# Altium PCB MASOUD.PcbDoc (part 5 of 5)
Units mm, origin at the board's own origin, x right, y up, seen from the top; angles counter-clockwise.
Board outline 244.28 x 142.63 mm, 2 copper layers (Top Layer, Bottom Layer); 506 components, 0 nets, 1687 pads, 863 vias.
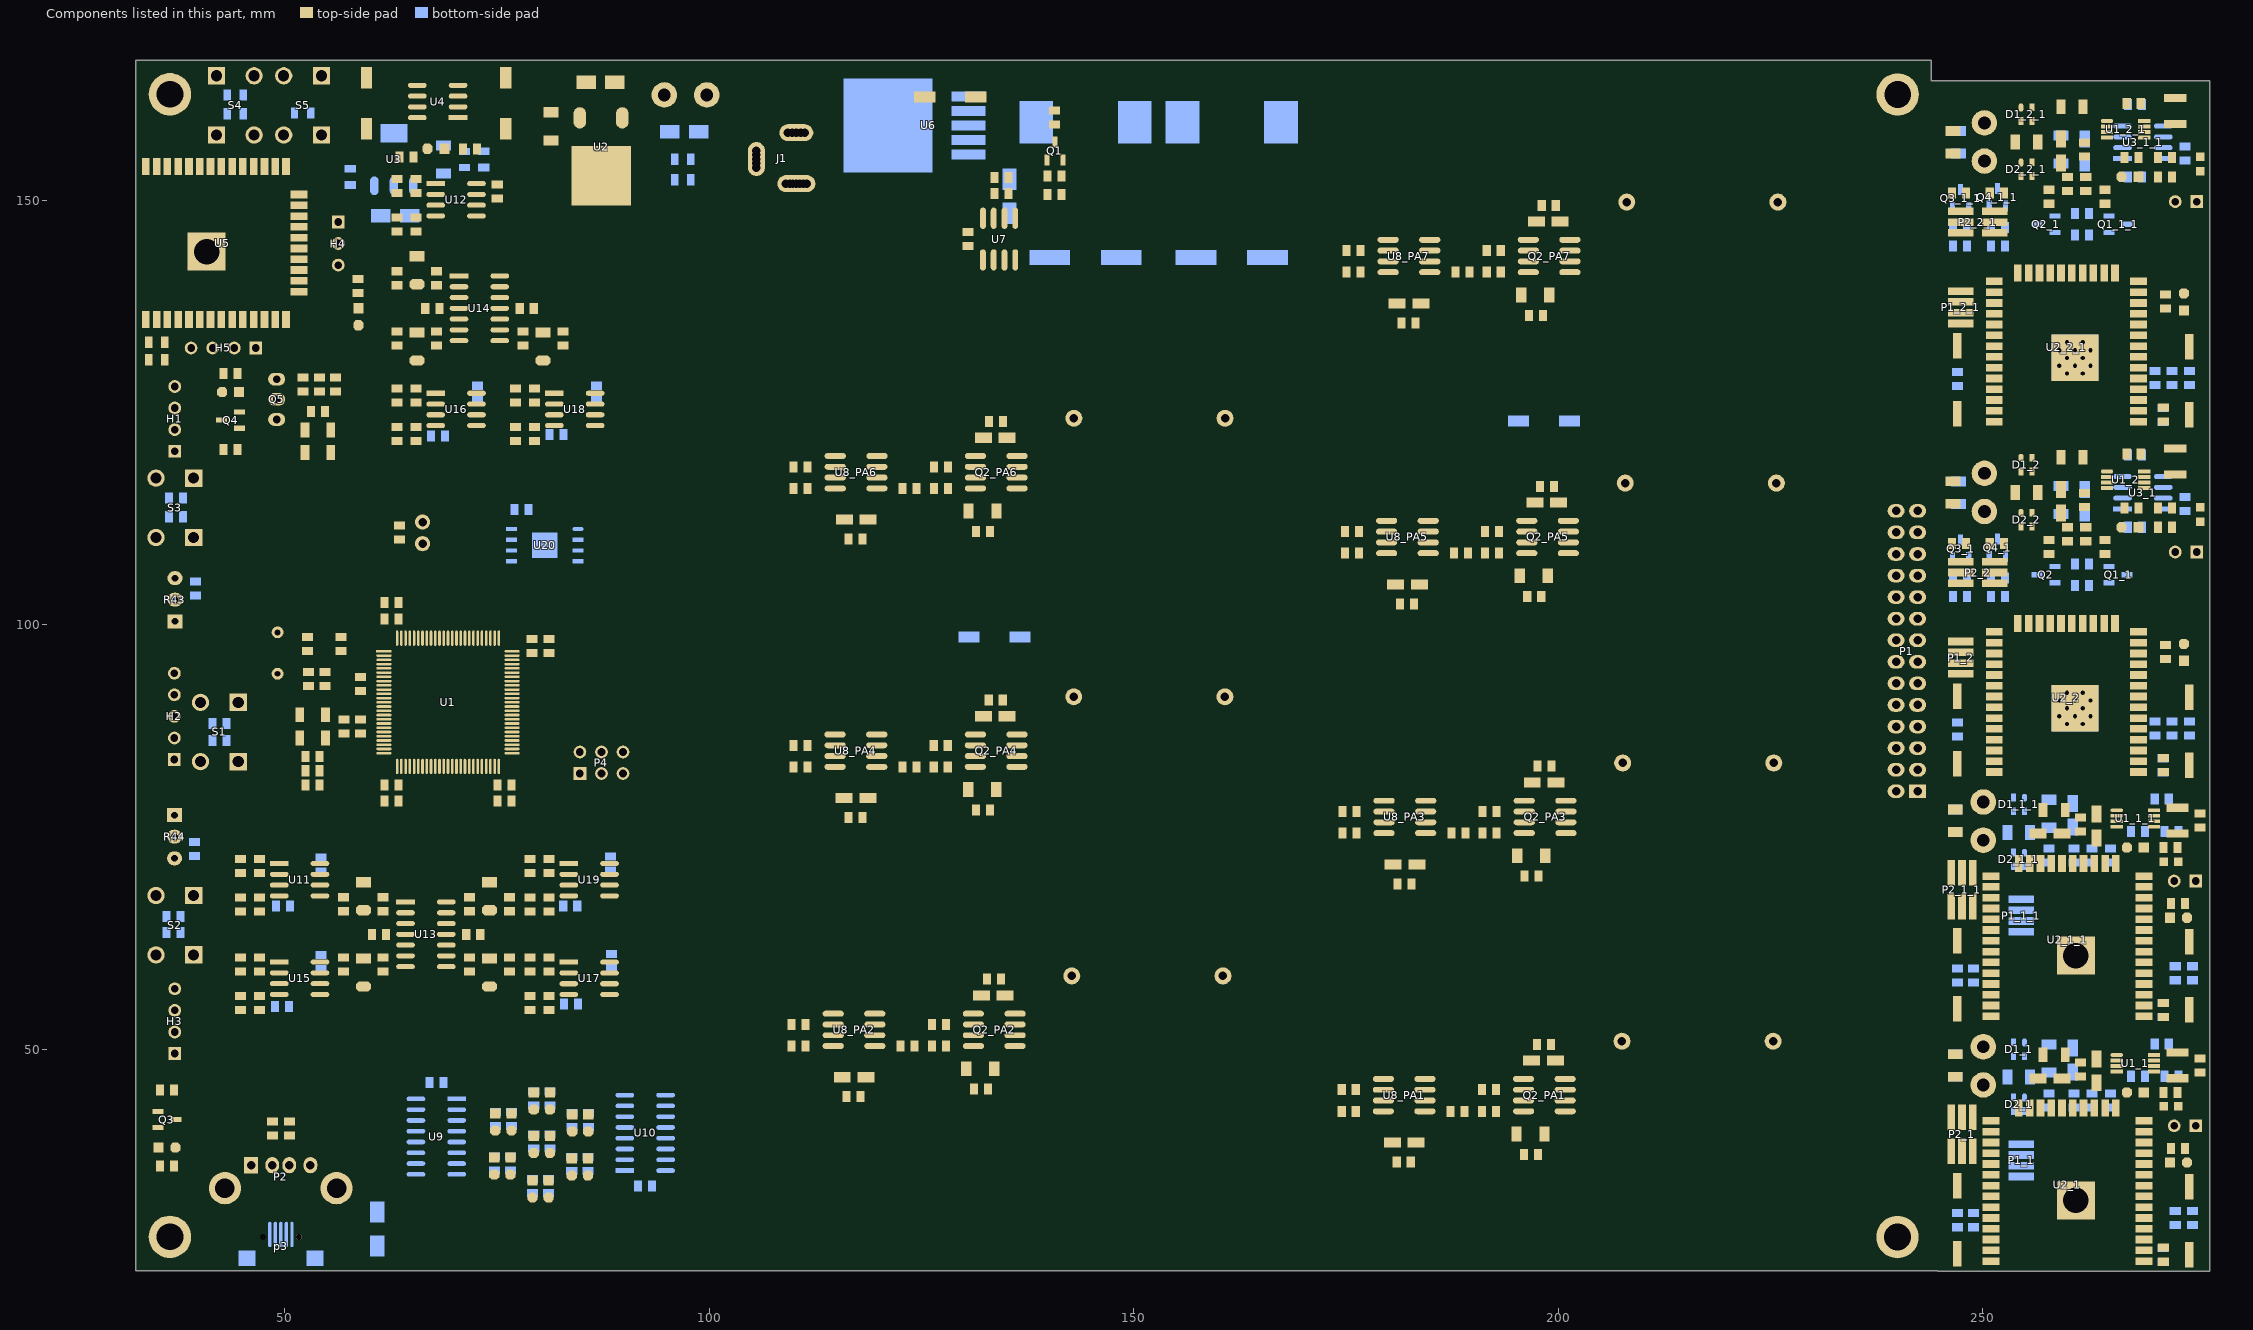
[diagram p5: the components of this part, seen from the top]

## Other copper (continued)
Bottom Layer:
  rectangle: 182.516,28.634 191.885,40.474
  rectangle: 171.34,28.634 180.865,40.826
  rectangle: 171.335,46.524 193.311,53.399
  rectangle: 202.11,28.533 226.539,48.533
  rectangle: 182.597,61.397 192.01,73.249
  rectangle: 171.421,61.397 180.946,73.589
  rectangle: 171.41,79.299 193.392,86.162
  rectangle: 201.855,61.296 226.62,81.296
  rectangle: 117.954,69.196 127.36,81.049
  rectangle: 106.778,69.196 116.303,81.388
  rectangle: 106.76,87.099 128.749,93.961
  rectangle: 137.212,69.095 161.977,89.095
  rectangle: 182.898,94.361 192.26,106.249
  rectangle: 171.722,94.361 181.247,106.553
  rectangle: 171.71,112.249 193.693,119.126
  rectangle: 202.156,94.26 226.921,114.26
  rectangle: 183.079,127.452 192.46,139.274
  rectangle: 171.903,127.452 181.428,139.644
  rectangle: 171.885,145.349 193.874,152.217
  rectangle: 202.337,127.351 227.102,147.351
  rectangle: 117.726,36.319 127.11,48.199
  rectangle: 106.55,36.319 116.075,48.511
  rectangle: 106.535,54.224 128.521,61.084
  rectangle: 137.11,36.218 161.749,56.218
  rectangle: 138.685,138.099 144.872,141.049
  rectangle: 124.46,135.824 142.71,141.099
  rectangle: 113.41,131.549 126.41,153.724
  rectangle: 123.31,139.024 136.56,149.774
  rectangle: 126.235,133.224 139.735,136.324
  rectangle: 125.785,131.549 137.16,134.274
  rectangle: 106.785,119.899 128.71,126.758
  rectangle: 137.226,101.892 161.991,121.892
  rectangle: 106.792,101.993 116.317,114.185
  rectangle: 117.968,101.993 127.36,113.874
  rectangle: 130.86,127.174 133.91,131.949
  rectangle: 133.01,130.299 135.51,132.849
  rectangle: 56.06,155.524 92.16,165.849
  region: 61.81,27.074 61.81,25.599 57.536,25.599 54.837,28.224 50.935,28.224 50.935,29.677 59.11,29.677

## Silkscreen, mask and mechanical layers (free items; w line width, h text height)
Bottom Solder:
  rectangle: 46.385,23.924 52.71,26.149

## Text inside footprints (layer, text, board x,y; h text height)
C5: Top Overlay "+" at 60.785,159.346 h1 r270
C6: Top Overlay "+" at 77.16,159.346 h1 r270
C7: Top Overlay "+" at 130.512,163.274 h1
C8: Bottom Overlay "+" at 141.635,144.474 h2
C9: Bottom Overlay "+" at 158.86,144.474 h2
C48: Bottom Overlay "+" at 200.437,122.949 h1 r180
C49: Bottom Overlay "+" at 135.712,97.474 h1 r180
P1: Top Overlay "28" at 240.3,114.964 h1.27 r90; Top Overlay "27" at 242.84,114.964 h1.27 r90; Top Overlay "1" at 242.84,77.88 h1.27 r90; Top Overlay "2" at 240.3,77.88 h1.27 r90
p3: Mechanical 1 "PCB EDGE" at 47.172,23.676 h0.7 r180
P4: Top Overlay "1" at 82.763,82.001 h1.27; Top Overlay "2" at 82.255,84.541 h1.27; Top Overlay "5" at 91.399,82.001 h1.27; Top Overlay "6" at 91.399,84.541 h1.27
R43: Top Overlay "CW" at 35.891,105.59 h1 r90
R44: Top Overlay "CW" at 38.279,72.448 h1 r270
U5: Mechanical 13 "ANTENNA" at 29.935,138.974 h1 r90